# Allegro board MinnowMax_RevA1.brd (continued)
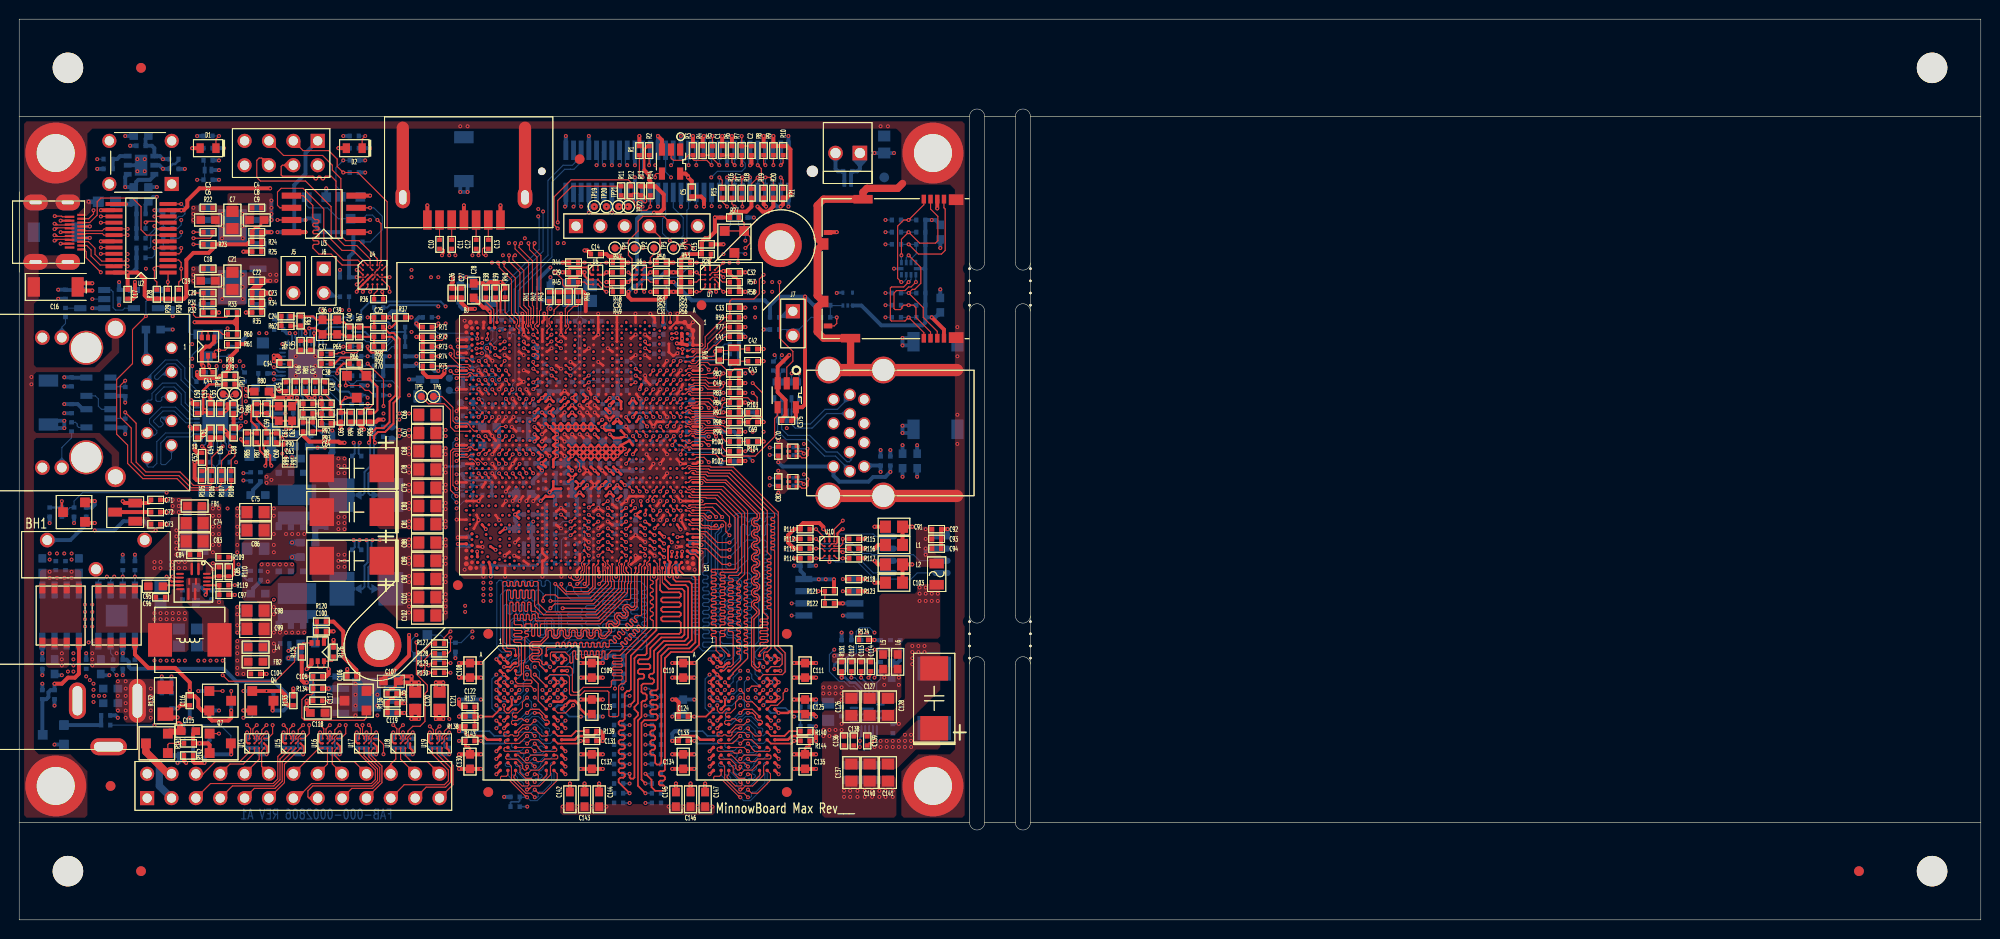
[diagram p0: board, top side]
## Routing (per net, layer and track width the routed paths; a pad name or vN(x,y) marks a point on that pad's centre or on a via; arc(x,y) is an arc through that point) (continued)
+VDIMM: length 173.8
  TOP w0.203: C139.2 88.61,18.41 88.9,18.41 v1(89.15,18.67) ; MEM1.H2 51.34,22.39 v1(51.34,23.19) ; MEM2.H2 73.56,22.39 v1(73.56,23.19) ; CPU1.F49 67.63,38.87 67.63,37.54 CPU1.F52
  TOP w0.254: v1(49.74,17.59) MEM1.N1 ; v1(69.1,38.43) CPU1.C51 ; MEM2.K2 72.77,19.99 v1(72.76,19.99) ; v1(67.22,39.97) 67.17,39.97 CPU1.H46 ; MEM2.G7 v1(77.57,23.19) ; MEM1.N9 v1(56.94,17.59) ; CPU1.BD49 v1(49.66,38.61) ; MEM2.D9 78.77,25.19 v1(79.17,24.79) MEM2.E9 ; MEM1.A1 v1(50.54,27.19) MEM1.B2 ; MEM2.N1 72.36,17.99 v1(71.96,17.59) ; CPU1.AV42 v1(51.69,42.29) CPU1.AV41 ; CPU1.F52 CPU1.F53 67.69,36.69 67.69,35.94 v1(67.79,35.84) ; CPU1.BJ48 v1(45.72,39.22) ; MEM1.K2 v1(50.54,19.99) ; 59.69,21.46 59.05,21.46 58.42,22.1 58.42,22.36 57.93,22.85 57.4,22.85 v1(56.94,22.39) MEM1.H9 ; MEM2.D2 v1(72.76,25.59) MEM2.C1 ; MEM2.B2 v1(72.76,27.19) MEM2.A1 ; MEM2.R1 71.97,15.99 v1(71.96,15.99) ; MEM1.G7 v1(55.34,23.19) ; CPU1.V38 61.57,44.6 v1(61.56,44.6) 61.54,44.6 CPU1.Y38 ; v1(79.17,17.59) 78.77,17.99 MEM2.N9 ; v1(71.12,39.12) 71.02,39.21 70.33,39.21 70.32,39.22 70.25,39.22 CPU1.A48 ; MEM2.C9 v1(79.34,25.99) ; v1(49.15,35.81) 49.15,36.69 CPU1.BD53 48.97,37.31 CPU1.BD52 ; CPU1.D44 v1(68.94,40.73) ; MEM1.F1 v1(49.74,23.99) ; MEM1.C9 v1(57.11,25.99) ; MEM1.E9 v1(56.94,24.79) 56.54,25.19 MEM1.D9 ; v1(54.36,43.69) 54.36,43.69 CPU1.AM38 54.97,44.14 55.6,44.14 CPU1.AK38 ; R144.1 82.39,18.16 82.26,18.03 82.04,18.03 81.92,17.91 C135.1 ; MEM1.A8 55.74,27.59 v1(56.14,27.19) ; C130.1 46.99,17.91 46.86,18.03 46.61,18.03 46.52,18.13 R143.1 ; MEM1.C1 v1(50.54,25.59) MEM1.D2 ; CPU1.BG51 v1(47.74,38.43) ; MEM1.K8 v1(56.14,19.99) ; MEM2.A8 78.36,27.19 v1(78.37,27.19) ; 81.92,21.46 81.66,21.72 80.26,21.72 80.14,21.59 v1(79.17,21.59) 78.77,21.99 MEM2.H9 ; v1(50.67,40.84) CPU1.BB46 ; v1(49.74,15.99) MEM1.R1 ; v1(48.64,40.77) CPU1.BF44 ; MEM2.R9 78.77,16.39 v1(79.17,15.99) ; MEM1.R9 v1(56.94,15.99) ; CPU1.M42 v1(64.25,42.27) CPU1.M41 ; MEM2.K8 v1(78.37,19.99) ; MEM2.F1 v1(71.96,23.99)
  TOP w0.406: v1(58.55,25.27) C109.1 v1(60.83,25.27) ; v1(48.13,25.27) C108.1 v1(45.85,25.27) ; R137.1 v1(45.85,21.21) ; v1(80.77,17.27) C135.1 v1(83.06,17.27) ; R124.2 v1(89.15,29.21) ; v1(60.83,17.27) C132.1 v1(58.55,17.27) ; v1(48.13,17.27) C130.1 v1(45.85,17.27) ; v1(80.77,25.27) C111.1 v1(83.06,25.27) ; 81.92,21.46 82.8,21.46 v1(83.06,21.21) ; v1(70.36,25.27) C110.1 v1(68.07,25.27) ; v1(68.07,17.27) C134.1 v1(70.36,17.27)
  INT8(V) w0.254: v1(89.15,18.67) 81.41,10.92 61.34,10.92 59.69,12.57 59.69,16.13 v1(58.55,17.27)
  BOTTOM w0.203: 78.36,21.59 v1(79.17,21.59) ; U37.5 88.99,18.83 v1(89.15,18.67) ; 56.14,22.39 v1(56.94,22.39)
  BOTTOM w0.254: MEM1.K2 v1(50.54,19.99) ; MEM3.B2 v1(78.37,27.19) MEM3.A1 ; MEM1.K8 v1(56.14,19.99) ; MEM2.K2 v1(72.76,19.99) ; C293.1 53.85,36.96 54.23,37.34 54.23,37.97 54.48,38.23 R283.1 ; MEM4.H9 v1(49.74,22.39) ; MEM1.C1 v1(50.54,25.59) 50.14,25.19 MEM4.D9 ; MEM4.D2 v1(55.34,24.79) ; MEM3.E9 72.36,24.39 v1(71.96,23.99) ; v1(61.56,44.6) 61.85,44.31 61.85,43.4 C272.2 ; v1(49.74,17.59) MEM1.N1 ; MEM3.A8 72.77,27.19 v1(72.76,27.19) ; MEM4.F1 v1(56.94,23.99) ; MEM3.D2 77.96,25.19 v1(77.57,24.79) ; MEM3.G7 v1(73.56,23.19) ; v1(71.96,22.39) MEM3.H9 ; MEM2.N9 78.77,17.99 v1(79.17,17.59) ; MEM2.N1 72.36,17.99 v1(71.96,17.59) ; MEM1.N9 v1(56.94,17.59) ; MEM4.A1 v1(56.14,27.19) MEM4.B2 ; MEM4.H2 56.14,22.39 ; MEM3.D9 72.37,25.19 v1(72.76,25.59) MEM2.C1 ; v1(79.17,15.99) 78.77,16.39 MEM2.R9 ; v1(49.74,15.99) MEM1.R1 ; MEM2.R1 71.97,15.99 v1(71.96,15.99) ; MEM1.C9 v1(57.11,25.99) ; MEM4.E9 v1(49.74,23.99) ; MEM2.C9 v1(79.34,25.99) ; v1(50.54,27.19) MEM4.A8 ; MEM2.K8 v1(78.37,19.99) ; MEM4.G7 v1(51.34,23.19) ; MEM3.H2 78.36,21.59 ; MEM3.F1 v1(79.17,23.99) ; MEM1.R9 v1(56.94,15.99)
  BOTTOM w0.381: C289.1 67.6,36.03 v1(67.79,35.84) ; C277.1 45.92,39.02 v1(45.72,39.22) ; C288.1 70.9,39.34 v1(71.12,39.12) ; C293.1 49.24,35.91 v1(49.15,35.81)
  BOTTOM w0.406: v1(80.77,17.27) C135.1 v1(83.06,17.27) ; v1(45.85,25.27) C108.1 v1(48.13,25.27) ; v1(68.07,21.21) 68.33,21.46 69.22,21.46 ; v1(50.67,40.84) 51.1,40.84 51.18,40.77 R275.1 51.82,41.53 51.69,41.66 v1(51.69,42.29) C276.2 ; v1(68.07,25.27) C110.1 v1(70.36,25.27) ; v1(60.83,25.27) C109.1 v1(58.55,25.27) ; v1(45.85,21.21) 46.1,21.46 46.99,21.46 ; v1(45.85,17.27) C130.1 v1(48.13,17.27) ; v1(83.06,25.27) C111.1 v1(80.77,25.27) ; v1(64.25,42.27) 64.26,42.26 C271.2 ; v1(58.55,17.27) C132.1 v1(60.83,17.27) ; v1(89.15,29.21) 89.19,29.18 C310.2 ; R310.1 v1(83.06,21.21) ; R294.2 v1(86.74,29.97) ; C267.1 53.6,44.45 v1(54.36,43.69) ; v1(68.07,17.27) C134.1 v1(70.36,17.27) ; R295.2 v1(45.47,27.3)
  vias: v1(35.05,24.64) v1(35.05,23.5) v1(35.05,22.35) v1(35.05,21.34) v1(37.34,23.5) v1(37.34,22.35) v1(37.34,21.34) v1(48.39,35.18) v1(48.39,34.54) v1(48.39,33.91) v1(48.39,33.27) v1(49.15,35.18) v1(49.15,34.54) v1(49.15,33.91) v1(49.15,33.27) v1(89.15,18.03) v1(89.79,18.67) v1(89.79,18.03) v1(90.42,18.67) v1(90.42,18.03) v1(91.06,18.67) v1(91.06,18.03) v1(91.69,18.67) v1(91.69,18.03) v1(92.33,19.3) v1(92.33,18.67) v1(92.33,18.03) v1(92.96,19.3) v1(92.96,18.67) v1(92.96,18.03)
+VDIMM_VTT: length 2.1
  BOTTOM w0.203: 88.07,17.72 88.07,18.92 88.19,19.04 U37.7
  vias: v1(56.64,11.81) v1(58.17,11.81) v1(59.69,11.81) v1(61.21,11.81) v1(67.69,11.81) v1(69.22,11.81) v1(70.74,11.81) v1(72.26,11.81)
+VGFX: length 43.5
  TOP w0.254: v1(59.99,51.43) CPU1.AC22 v1(59.2,51.43) ; v1(59.99,51.43) CPU1.AA24 ; v1(59.99,51.43) CPU1.AC24 v1(59.2,51.43) ; v1(59.2,51.43) CPU1.AD22 v1(58.42,51.43) ; v1(59.2,51.43) CPU1.AD24 v1(58.42,51.43) ; v1(56.85,51.43) CPU1.AG22 v1(57.64,51.43) ; v1(56.85,51.43) CPU1.AJ24 v1(56.07,51.43) ; v1(56.85,51.43) CPU1.AJ22 v1(56.07,51.43) ; v1(56.85,51.43) CPU1.AG24 v1(57.64,51.43) ; CPU1.AK24 v1(56.07,51.43) ; CPU1.AK24 v1(56.07,50.67) CPU1.AK25 v1(56.07,49.91) CPU1.AK27 v1(56.07,49.15) CPU1.AK29 v1(56.07,48.39) CPU1.AK30 CPU1.AK32 ; CPU1.AK24 v1(55.28,51.43) CPU1.AM22 ; v1(56.07,51.43) CPU1.AK22 ; v1(58.42,51.43) CPU1.AF22 v1(57.64,51.43) ; v1(58.42,51.43) CPU1.AF24 v1(57.64,51.43)
  TOP w0.406: R37.2 v1(40.89,62.86)
  INT8(V) w0.406: v1(40.64,50.48) 40.96,50.48 41.91,51.44 41.91,62.46 41.5,62.86 v1(40.89,62.86)
  BOTTOM w0.406: v1(56.07,48.39) v1(56.07,49.15) v1(56.07,49.91) v1(56.07,50.67) v1(56.07,51.43) ; v1(57.64,51.43) v1(56.85,51.43) v1(56.07,51.43) ; v1(57.64,51.43) 57.75,51.54 C219.1 ; v1(57.64,51.43) v1(58.42,51.43) v1(59.2,51.43) v1(59.99,51.43) 59.78,51.63 C218.1 ; 55.72,51.43 C221.1 ; 55.72,51.43 v1(56.07,51.43) ; 55.72,51.43 v1(55.28,51.43)
  vias: v1(40.64,49.21) v1(40.64,48.58) v1(40.64,47.31) v1(40.64,46.67) v1(40.64,45.4) v1(40.64,44.77) v1(40.64,43.5) v1(40.64,42.86) v1(40.64,41.59) v1(40.64,40.96)
/SD3_PWREN: length 3.3
  TOP w0.114: CPU1.BD22 v1(49.31,52.46)
  BOTTOM w0.114: v1(49.31,52.46) 48.69,53.09 48.13,53.09 TP11.1
ACTIVE-LED: length 33
  TOP w0.114: v1(11.05,52.96) 12.19,51.82 12.19,47.75 13.21,46.74 16.76,46.74 18.16,45.34 19.94,45.34 20.07,45.47 R106.2
  INT3(V) w0.102: v1(7.62,64.77) 9.14,64.77 11.56,62.36 11.56,53.47 v1(11.05,52.96)
  BOTTOM w0.114: U26.2 v1(7.62,64.77) ; v1(11.05,52.96) C231.2 11.02,52.32 U30.2
ALERT_L: length 2.7
  BOTTOM w0.114: U27.4 33.47,58.38 33.48,58.38 33.7,58.38 34.29,57.78 R227.2
AUGND2: length 25.9
  GND2 w0.508: 85.95,50.17 USB1.7 ; USB1.7 87.21,50.17 ; USB1.7 85.95,51.43 ; USB1.7 87.21,51.43 ; USB1.13 85.51,53.67 ; USB1.13 84.25,54.93 ; USB1.13 84.25,53.67 ; USB1.13 85.51,54.93 ; 87.45,53.67 USB1.4 ; USB1.4 88.71,53.67 ; USB1.4 88.71,54.93
  GND6 w0.508: 85.95,51.43 USB1.7 ; USB1.7 85.95,50.17 ; USB1.7 87.21,51.43 ; USB1.7 87.21,50.17 ; 84.25,53.67 USB1.13 ; USB1.13 85.51,54.93 ; USB1.13 84.25,54.93 ; USB1.13 85.51,53.67 ; USB1.4 88.71,53.67 ; USB1.4 87.45,53.67 ; USB1.4 88.71,54.93
  BOTTOM w0.406: FB10.1 v1(92.08,49.53) ; FB9.1 v1(93.6,49.53) ; C235.1 v1(89.79,49.02) ; C234.1 v1(90.81,49.02) ; v1(92.08,50.8) 92.84,50.8 C211.1 92.84,51.56 v1(92.08,51.56) v1(92.08,50.8)
BOM_OP1: length 6.1
  TOP w0.102: CPU1.C16 69.44,54.87 69.73,55.16 69.97,55.16 70.14,54.99 71.75,54.99
  TOP w0.114: 71.75,54.99 v1(73.41,54.99)
  BOTTOM w0.114: R233.1 R211.2 v1(73.41,54.99)
BOM_OP2: length 6.6
  TOP w0.102: 71.75,55.75 71.5,56.01 70.36,56.01 70.2,55.85 CPU1.B14
  TOP w0.114: 71.75,55.75 71.88,55.63 72.9,55.63 73.02,55.75 73.02,56.64 v1(73.41,57.02)
  BOTTOM w0.114: R208.1 R209.2 v1(73.41,57.02)
BOM_OP3: length 9.4
  TOP w0.102: 71.75,55.37 71.37,55.75 70.39,55.75 70.28,55.64 70.12,55.64 70.07,55.64 69.8,55.37 69.5,55.37 CPU1.C15
  TOP w0.114: v1(73.41,56.01) 73.41,55.63 73.15,55.37 71.75,55.37
  BOTTOM w0.114: R234.1 74.07,53.31 73.91,53.47 73.28,53.47 73.03,53.72 73.03,55.63 v1(73.41,56.01) R210.2
BOOT1: length 1.5
  BOTTOM w0.203: U27.21 26.65,55.98 R230.1
BOOT_R: length 1.6
  BOTTOM w0.203: R230.2 24.93,55.79 C204.1
BOOTG: length 3.1
  BOTTOM w0.114: U27.34 29.25,60.68 29.15,60.78 29.15,62.04 R204.1
BOOTG_R: length 1.4
  BOTTOM w0.114: R204.2 26.8,62.36 26.58,62.14 C190.1
BRTCX1: length 7
  TOP w0.102: CPU1.C9 69.91,58.23 70.1,58.04 70.48,58.04 70.9,58.45 R76.2 74.26,58.45 Y1.2 74.68,58.29 C43.2
BRTCX2: length 6.9
  TOP w0.102: CPU1.A9 70.23,58.45 70.59,58.8 72.42,58.8 72.52,58.9 72.52,59.08 72.38,59.22 72.38,59.36 72.51,59.49 72.94,59.49 R76.1 74.26,59.4 Y1.1 74.68,59.56 C42.2
BUF2_PWR: length 1.7
  TOP w0.203: v1(61.21,67.56) 60.96,67.31 U5.B2
  TOP w0.406: R48.1 v1(61.21,67.56)
BUF3_PWR: length 1.7
  TOP w0.203: U6.B2 65.53,67.31 v1(65.79,67.56)
  TOP w0.406: R51.1 v1(65.79,67.56)
BVCCRTC_EXTPAD: length 5.3
  TOP w0.102: CPU1.B8 70.22,58.79 70.59,59.16 71.6,59.16 71.75,59.31
  TOP w0.114: C41.1 73.53,60.83 72.64,59.94 72.39,59.94 71.75,59.31
C_HDMI_CEC: length 13.9
  TOP w0.114: P1.15 7.35,72.76 8.13,73.53 8.13,74.93 8.51,75.31 11.81,75.31 12.7,74.42 12.7,72.01 13.26,71.45 U2.7
C_HDMI_HPD: length 16.1
  TOP w0.114: U2.10 v1(14.1,73.4) ; P1.1 6.75,69.96 6.99,69.72 6.99,69.09 v1(8.51,67.56)
  INT7(H) w0.102: v1(14.1,73.4) 11.93,73.4 10.41,71.88 8.64,71.88 7.49,70.74 7.49,68.58 v1(8.51,67.56)
C_HDMI_SCL: length 12.4
  TOP w0.114: v1(7.75,74.04) 7.75,73.66 7.24,73.16 P1.17 ; v1(14.1,72.39) 14.39,72.1 U2.8
  INT4(H) w0.102: v1(7.75,74.04) 8.13,74.42 9.78,74.42 11.81,72.39 v1(14.1,72.39)
  BOTTOM w0.114: R170.1 14.1,72.04 v1(14.1,72.39)
C_HDMI_SDA: length 15.6
  TOP w0.114: P1.18 4.5,73.35 4.42,73.43 v1(3.7,73.43) ; U2.9 14.5,72.75 14.35,72.9 13.3,72.9 v1(13.17,72.77)
  INT4(H) w0.102: v1(3.7,73.43) 6.5,73.43 7.87,74.8 9.91,74.8 11.94,72.77 v1(13.17,72.77)
  BOTTOM w0.114: v1(13.17,72.77) R169.1
CLKREQ0_B: length 5.8
  TOP w0.114: CPU1.BG3 v1(47.75,60.63)
  BOTTOM w0.114: R191.1 43.65,61.21 47.17,61.21 v1(47.75,60.63)
CLKREQ1_B: length 8.9
  TOP w0.102: CPU1.BD7 v1(48.77,59.69)
  INT4(H) w0.102: v1(43.69,62.86) 43.18,62.36 43.18,61.98 43.81,61.34 46.48,61.34 48.13,59.69 v1(48.77,59.69)
  BOTTOM w0.114: R190.1 v1(43.69,62.86)
COMP_RC: length 1
  BOTTOM w0.114: R247.2 C227.1
COMP_RC1: length 1.6
  TOP w0.114: R92.1 32.48,54.2 31.88,54.8 C48.2
COMP_RC2: length 1
  TOP w0.114: C63.1 R90.2
COMP_VW: length 3.8
  BOTTOM w0.114: U27.10 32.25,55.22 C226.2 R245.2
COMPG: length 10.2
  BOTTOM w0.114: R195.2 C185.2 38.86,59.82 38.35,59.31 37.08,59.31 36.99,59.4 C188.2 36.48,60.33 36.16,60.33 36.05,60.44 36.05,60.45 35.7,60.8 R198.1 C189.1 31.84,60.8 31.65,60.6 U27.40
COMPG_RC: length 1.8
  BOTTOM w0.114: C188.1 38.26,59.82 R194.2
COMPG_RC1: length 1
  BOTTOM w0.114: R193.1 C184.2
COMPG_RC2: length 1
  BOTTOM w0.114: R196.2 C187.1
CORE_SDA: length 2.5
  BOTTOM w0.114: U27.3 32.25,58.79 34.7,58.79 R201.2
CRT_CLK: length 2.6
  TOP w0.114: R39.1 49.66,64.52 49.8,64.37 CPU1.BC1
CRT_DAT: length 3.5
  TOP w0.114: R38.1 48.64,64.52 49.46,63.7 49.46,61.88 CPU1.BC2
D5_0V_HDMI: length 1
  BOTTOM w0.508: v1(7.24,74.93) L7.2
DBG_UART3_RXD: length 6.3
  TOP w0.114: J4.4 66.8,71.25 66.8,69.47 66.45,69.12 R50.2 65.95,68.07 65.16,68.07 U6.A2
DBG_UART3_TXD: length 10.2
  TOP w0.114: J4.5 67.18,73.41 65.02,73.41 64.52,72.9 64.52,71.88 63.5,70.87 63.5,69.34 63.88,68.96 63.88,68.32 64.39,67.81
DC_GATE_ENB: length 7.7
  INT7(H) w0.406: v1(6.99,27.81) 6.35,28.45 3.05,28.45 v1(2.41,27.81)
  BOTTOM w0.406: U36.4 v1(2.41,27.81) R309.1 ; v1(6.99,27.81) C325.1
DC_IN_1:
  vias: v1(10.29,24.89) v1(10.29,23.37) v1(10.29,21.84) v1(11.1,24.89) v1(11.1,24.13) v1(11.1,23.37) v1(11.1,22.61) v1(11.1,21.84) v1(11.1,21.08) v1(13.72,24.13) v1(13.72,23.37) v1(13.72,22.61) v1(13.72,21.84) v1(13.72,21.08)
DDI1_DDCDAT: length 1.4
  TOP w0.114: CPU1.P30 v1(63.26,47.59)
  BOTTOM w0.114: R257.1 63.55,47.88 v1(63.26,47.59)
DDI_RCOMP_N: length 1.6
  TOP w0.102: v1(55.49,57.5) 55.98,57.15 CPU1.AK12
  BOTTOM w0.102: v1(55.49,57.5) 55.08,57.91 54.83,57.91 R217.1
DDI_RCOMP_P: length 1.5
  TOP w0.102: CPU1.AK13 55.98,56.44 v1(55.49,56.79)
  BOTTOM w0.102: v1(55.49,56.79) 55.13,57.15 54.83,57.15 R217.2
DDP_1V8: length 34.9
  TOP w0.089: 36.08,67.06 35.56,67.06
  TOP w0.114: U4.C2 36.08,67.06
  TOP w0.203: v1(35.18,67.06) 35.18,67.06 35.56,67.06
  TOP w0.406: U3.8 v1(29.84,71.75)
  INT3(V) w0.406: v1(36.07,77.98) 35.05,78.99 35.05,79.76 33.53,81.28 J1.1
  BOTTOM w0.406: J1.1 29.84,80.01 29.84,77.85 28.67,76.67 R165.1 ; R165.1 C160.2 v1(29.84,71.75) ; R165.1 v1(29.84,73.03) 30.01,73.19 Q8.D 30.99,72.26 31.5,71.75 R163.1 R164.1 34.83,69.63 34.38,69.18 C165.2 v1(35.18,67.06) ; R152.1 v1(36.07,77.98)
DDP_IO3L: length 15.8
  INT3(V) w0.102: v1(33.78,79.25) 33.4,79.63 24.38,79.63 23.5,78.74
  BOTTOM w0.114: D8.1 33.53,76.07 33.02,76.58 33.02,78.49 v1(33.78,79.25) R147.2
DDP_SPI_CLK: length 20.8
  TOP w0.089: 36.58,68.57 36.58,68.06
  TOP w0.114: J1.4 27.43,78.74 27.31,78.62 27.31,77.72 27.43,77.6 30.62,77.6 30.73,77.49 30.73,77.32 30.84,77.22 30.99,77.22 31.1,77.32 31.1,77.49 31.21,77.6 31.36,77.6 31.47,77.49 31.47,77.32 31.58,77.22 31.73,77.22 31.84,77.32 31.84,77.49 31.95,77.6 32.51,77.6 33.02,77.09 33.02,71.25 33.91,70.36 35.18,70.36 36.58,68.96 36.58,68.57 ; 36.58,68.06 U4.B3
DDP_SPI_CS: length 20.9
  TOP w0.114: J1.3 29.59,80.26 32.26,80.26 33.15,79.38 33.15,78.61 v1(33.78,77.98) 35.31,77.98 38.35,74.93 38.35,68.33 U4.B5
  BOTTOM w0.114: R152.2 v1(33.78,77.98)
DDP_SPI_MISO: length 20.8
  TOP w0.114: 26.04,81.28 27.56,79.76 31.62,79.76 32.64,78.74 32.64,78.23 33.53,77.34 33.53,71.37 34.04,70.87 35.43,70.87 37.33,68.97 U4.A4
DDP_SPI_MOSI: length 20.8
  TOP w0.114: U4.A2 34.79,69.85 33.66,69.85 32.51,70.99 32.51,74.42 29.84,77.09 25.15,77.09 24.77,77.47 24.77,79.25 25.01,79.49 25.28,79.49 26.04,78.74
DDR3L_VIN:
  vias: v1(83.82,24.26) v1(83.82,23.62) v1(84.45,24.26) v1(84.45,23.62) v1(85.09,24.26) v1(85.09,23.62) v1(85.72,24.26) v1(85.72,23.62) v1(85.72,22.99) v1(90.17,25.27) v1(90.17,24.51) v1(91.69,25.27) v1(91.69,24.51)
DDR_BST: length 2.2
  BOTTOM w0.406: C309.2 91.82,27.08 91.53,26.8 R298.2
DDR_E0: length 1.9
  TOP w0.114: R118.2 v1(85.85,35.56)
  BOTTOM w0.114: v1(85.85,35.56) U33.1
DDR_E1: length 1.9
  TOP w0.114: v1(85.85,34.29) R123.2
  BOTTOM w0.114: U33.2 v1(85.85,34.29)
DDR_RCMP: length 8.3
  INT8(V) w0.254: v1(89.15,28.19) 89.15,27.69 87.63,26.16 v1(84.96,26.16)
  BOTTOM w0.254: v1(89.15,28.19) 89.19,28.23 C310.1 R292.2 ; v1(84.96,26.16) 84.96,26.64 85.22,26.89 R303.1
DDR_SMB_CLK: length 133.9
  TOP w0.114: 59.82,67.81 59.82,68.19 59.44,68.58 v1(58.93,68.58) R44.1
  INT4(H) w0.102: v1(58.93,68.58) 60.45,67.06 61.72,67.06 62.74,66.04 77.09,66.04 v1(77.6,66.55)
  INT7(H) w0.102: v1(9.91,35.81) 10.67,35.05 15.49,35.05 16.26,34.29 36.7,34.29 40.13,30.86 78.36,30.86 v1(80.52,33.02)
  INT8(V) w0.102: v1(77.6,66.55) 77.98,66.17 77.98,50.67 77.72,50.42 77.47,50.42 77.22,50.17 77.22,43.69 79.63,41.27 79.63,33.91 v1(80.52,33.02)
  BOTTOM w0.114: v1(9.91,35.81) 9.53,35.43 U35.6 ; U33.6 v1(80.52,33.02)
DDR_SMB_DATA: length 133
  TOP w0.114: U5.A2 60.32,68.19 60.71,68.58 v1(61.21,68.58) R47.1
  INT4(H) w0.102: v1(76.71,66.55) 75.95,66.55 75.82,66.42 70.1,66.42 69.47,67.06 62.74,67.06 v1(61.21,68.58)
  INT7(H) w0.102: v1(80.52,31.75) 79.25,30.48 39.88,30.48 36.45,33.91 23.75,33.91 23.37,33.53 16,33.53 15.24,34.29 10.67,34.29 v1(9.14,35.81)
  INT8(V) w0.102: v1(76.71,66.55) 76.33,66.17 76.33,62.23 76.83,61.72 76.83,43.43 79.25,41.02 79.25,33.02 v1(80.52,31.75)
  BOTTOM w0.114: v1(9.14,35.81) 8.89,35.56 8.38,35.56 8.26,35.43 U35.5 ; U33.5 v1(80.52,31.75)
DDR_WP_A: length 3.5
  TOP w0.114: v1(83.31,34.29) R121.1 R122.1
  BOTTOM w0.114: U33.7 v1(83.31,34.29)
DDRAGND_SIGNAL: length 14.3
  INT3(V) w0.406: v1(87.63,18.03) v1(87.63,18.67) 87.63,24 87.25,24.38 87.25,26.04 v1(85.72,27.56) v1(84.96,27.56)
  BOTTOM w0.203: U37.8 87.79,19.15 87.63,18.99 v1(87.63,18.67)
  BOTTOM w0.254: v1(87.63,18.03) v1(87.63,18.67)
  BOTTOM w0.406: FB12.2 v1(85.72,27.56) v1(84.96,27.56)
DIMM_FB: length 7.5
  TOP w0.406: R131.2 v1(85.72,25.27)
  BOTTOM w0.203: U37.14 87.79,24.09
  BOTTOM w0.254: R294.1 86.74,27.81 86.23,27.3 86.23,26.04 86.14,25.94 R131.2 v1(85.72,25.27) 86.11,25.27 86.61,24.77 87.12,24.77 87.79,24.09
DRAM_CORE_PWROK: length 24.7
  TOP w0.114: CPU1.AB42 v1(59.37,42.27)
  INT3(V) w0.102: v1(59.37,42.27) 58.29,41.19 58.29,38.86 49.53,30.1 v1(47.24,30.1)
  BOTTOM w0.114: v1(47.24,30.1) 46.07,28.92 R295.1 44.74,28.92 43.94,29.72 D12.3
DRAM_PWROK: length 12.2
  INT8(V) w0.102: v1(84.96,28.19) v1(88.39,28.19)
  BOTTOM w0.114: U37.13 87.39,23.99 87,24.38 86.49,24.38 85.98,24.89 85.47,24.89 84.45,25.91 84.45,27.69 v1(84.96,28.19) ; v1(88.39,28.19) 87.79,28.19 R293.2 R301.2
DRAM_RCOMP0: length 4
  TOP w0.114: CPU1.AD44 v1(59.37,40.84)
  BOTTOM w0.102: v1(59.37,40.84) 58.93,40.4 58.93,38.61 58.55,38.23 R280.2
DRAM_RCOMP1: length 4.7
  TOP w0.114: v1(57.47,40.13) 57.94,40.49 CPU1.AF45
  BOTTOM w0.102: v1(57.47,40.13) 57.21,39.88 56.77,39.88 56.52,39.62 56.52,37.47 56.26,37.21 R284.2
DRAM_RCOMP2: length 5.1
  TOP w0.114: CPU1.AD45 58.9,40.49 CPU1.AD45 ; CPU1.AD45 v1(59.37,40.13)
  BOTTOM w0.102: v1(59.37,40.13) 59.82,39.69 59.82,37.72 59.31,37.21 R281.2
DRAM_S4_PWROK: length 64.4
  TOP w0.114: CPU1.AD42 v1(59.37,41.56) ; R124.1 87.54,29.75 v1(87.76,29.97)
  INT3(V) w0.102: v1(47.24,29.46) 49.4,29.46 58.67,38.73 58.67,40.86 v1(59.37,41.56)
  INT7(H) w0.102: v1(87.76,29.97) 87.25,29.46 v1(47.24,29.46)
  BOTTOM w0.102: C290.2 58.55,39.24 58.67,39.37 58.67,40.86 v1(59.37,41.56)
  BOTTOM w0.114: R293.1 v1(87.76,29.97)
DRAM_VCC: length 7.4
  TOP w0.203: v1(87.76,25.27) C113.2
  INT7(H) w0.203: v1(89.15,25.27) 88.76,25.67 88.15,25.67 v1(87.76,25.27)
  BOTTOM w0.203: C113.2 v1(87.76,25.27) 88.59,24.44 U37.16 ; R299.1 89.41,26.89 89.28,26.76 89.28,25.4 v1(89.15,25.27)
DRAM_VDD_CLK: length 10.7
  TOP w0.254: CPU1.AD38 58.43,44.6 v1(58.42,44.6) 58.41,44.6 CPU1.AF38
  INT4(H) w0.406: v1(53.58,41.56) 53.62,41.56 56.13,44.07 57.89,44.07 v1(58.42,44.6)
  BOTTOM w0.406: C292.2 C291.2 53.56,39.78 53.34,40 R275.2 53.34,41.32 v1(53.58,41.56)
DRAM_VREF: length 4.5
  TOP w0.114: v1(57.47,40.84) 57.92,41.18 CPU1.AF44
  BOTTOM w0.102: v1(57.47,40.84) 56.88,40.26 C275.1 R282.1 R283.2
ELL: length 1.6
  BOTTOM w0.114: U26.4 4.85,63.82 R207.1
ELR: length 1.9
  BOTTOM w0.114: R252.1 5.88,51.91 6.05,51.74 6.05,51.54 6.21,51.37 U30.4
EN_VDDQ: length 3.6
  TOP w0.114: C114.2 88.77,25.54 88.7,25.46 88.7,25.45 v1(88.52,25.27)
  BOTTOM w0.114: C114.2 88.77,25.54 88.7,25.46 88.7,25.45 v1(88.52,25.27) 88.99,24.8 U37.17
EN_VTT: length 4
  TOP w0.114: v1(86.74,25.27) C112.2
  BOTTOM w0.114: U37.15 88.19,24.2 87.12,25.27 v1(86.74,25.27) C112.2
ETH_CP: length 3.2
  BOTTOM w0.406: J8.2 13.21,58.55 FB6.2
EXP_GPIO1: length 23.3
  TOP w0.114: CPU1.K18 v1(66.11,54.37)
  INT8(V) w0.102: v1(66.11,54.37) 66.45,54.71 66.45,60.73 67.45,61.73 67.45,63.51 67.82,63.88 v1(67.82,70.87)
  BOTTOM w0.114: v1(67.82,70.87) 67.06,71.63 67.06,73.15 67.38,73.48 J10.27
EXP_GPIO2: length 26.8
  TOP w0.114: CPU1.K20 v1(66.11,52.46)
  INT8(V) w0.102: v1(66.11,52.46) 66.11,52.9 66.67,53.47 67.94,53.47 68.58,54.1 68.58,58.46 69.49,59.37 v1(69.49,70.1)
  BOTTOM w0.114: J10.29 68.18,74.31 69.22,73.28 69.22,71.37 69.09,71.25 69.09,70.5 v1(69.49,70.1)
EXP_GPIO3: length 33
  TOP w0.114: CPU1.M22 v1(65.46,51.47)
  INT8(V) w0.102: v1(65.46,51.47) 65.03,51.91 65.03,55.75 64.9,55.88 64.9,57.28 65.91,58.29 65.91,61.21 66.17,61.47 66.17,63.37 67.18,64.39 67.18,71.25 67.44,71.5 68.58,71.5 69.34,72.26 69.34,76.07 v1(67.94,77.47)
  BOTTOM w0.114: v1(67.94,77.47) 67.38,78.03 J10.28
EXP_GPIO4: length 33
  TOP w0.114: CPU1.M24 v1(65.39,50.48)
  INT8(V) w0.102: v1(67.94,78.74) 67.44,78.23 67.44,76.96 67.82,76.58 67.82,73.41 67.31,72.9 67.31,71.75 66.93,71.37 66.93,64.64 66.1,63.82 65.72,63.82 64.9,62.99 64.9,58.17 64.64,57.91 64.64,55.88 64.34,55.58 64.34,51.54 v1(65.39,50.48)
  BOTTOM w0.114: v1(67.94,78.74) 68.18,78.98 J10.30
FB_V1P0S: length 5
  TOP w0.254: R135.2 39.34,23.46 38.99,23.11 38.73,23.11 38.39,22.77 R136.1
  TOP w0.406: R136.1 C119.1 ; R135.2 v1(40.13,23.62)
  BOTTOM w0.406: U38.2 39.88,24.13 40.13,23.88 v1(40.13,23.62)
FBG: length 13.9
  BOTTOM w0.203: U27.39 31.25,60.84 32.26,61.85 R200.1 34.7,61.43 34.8,61.34 36.07,61.34 36.58,60.83 R196.1 36.99,60.43 37.09,60.33 38.35,60.33 38.61,60.58 38.61,61.09 38.86,61.34 40.23,61.34
  BOTTOM w0.254: C185.1 R194.1 R193.2
FP_PWRBTN: length 135
  TOP w0.114: R5.2 v1(72.26,81.79)
  INT3(V) w0.102: v1(10.16,25.53) 9.78,25.91 9.78,31.37 10.29,31.88 10.29,42.42 12.19,44.32 12.19,65.41 13.21,66.42 v1(13.21,67.94) 15.9,70.64 SW1.1
  INT4(H) w0.102: v1(72.26,81.79) 70.36,79.88 22.48,79.88 21.34,78.74 20.07,78.74 v1(18.54,77.22) 18.11,76.78 SW1.1
  INT7(H) w0.102: v1(13.21,67.94) 15.11,66.04 18.54,66.04 19.05,65.53 24.89,65.53 25.4,66.04 27.58,66.04 28.57,67.03 J5.1
  BOTTOM w0.114: v1(18.54,77.22) C154.2 19.34,77.34 D9.P 19.34,79.12 R149.1 ; v1(10.16,25.53) 9.78,25.91 R308.2
GFX_PG: length 14
  TOP w0.114: D4.2 34.04,56.64 v1(34.04,55.75) 35.56,55.75 36.07,55.25 36.45,55.25 36.83,54.86 36.83,53.72 36.51,53.4 36.04,53.4 R95.1 ; R65.1 35.4,59.4 35.18,59.18 v1(33.78,59.18) 33.27,59.18 33.15,59.06 C37.2
  INT3(V) w0.102: v1(34.04,55.75) 34.04,58.93 v1(33.78,59.18)
GFX_PG_R: length 2.5
  TOP w0.114: R65.2 v1(33.78,59.82)
  BOTTOM w0.114: v1(33.78,59.82) 33.4,59.82 32.77,59.19 U27.2
GPIO_I2C_SCL: length 13.3
  TOP w0.114: U17.A1 35.44,17.32 37.12,15.64 37.12,14.64 36.7,14.22 30.48,14.22 28.96,12.7 JP1.13
GPIO_I2C_SDA: length 13.4
  TOP w0.114: JP1.15 30.23,12.7 30.1,12.83 30.1,13.46 30.61,13.97 36.77,13.97 37.35,14.55 37.35,15.74 35.95,17.14 35.95,17.92
GPIO_NC13: length 4.1
  TOP w0.114: CPU1.A29 72.6,48.56 73.28,47.88 R102.2
GPIO_RCOMP: length 6.4
  TOP w0.114: CPU1.N26 v1(63.97,50.48)
  BOTTOM w0.102: v1(63.97,50.48) 64.42,50.93 R238.1
GPIO_S0_SC_55: length 4.8
  TOP w0.114: CPU1.BD12 v1(48.6,57.34)
  BOTTOM w0.102: 45.09,56.77 45.21,56.9 45.85,56.9 45.97,57.02 47.62,57.02 47.66,56.99 48.25,56.99 v1(48.6,57.34)
  BOTTOM w0.114: 45.09,56.77 TP8.1
GPIO_S0_SC_56: length 4
  TOP w0.114: CPU1.BC12 v1(49.31,57.34)
  BOTTOM w0.102: R189.2 R219.2 47.34,57.66 47.62,57.66 47.75,57.78 48.87,57.78 v1(49.31,57.34)
GPIO_S0_SC_58: length 6.2
  TOP w0.114: CPU1.BC14 v1(49.31,56.35)
  BOTTOM w0.102: v1(49.31,56.35) 49.31,55.92 48.96,55.56 48.96,55.18 48.77,54.99 45.09,54.99
  BOTTOM w0.114: 45.09,54.99 TP9.1
GPIO_S5_0: length 10.8
  TOP w0.114: U19.A1 43.06,17.29 44.74,15.62 44.74,14.51 44.32,14.1 40.13,14.1 JP1.21
GPIO_S5_1: length 8.5
  TOP w0.114: JP1.23 42.42,13.84 44.45,13.84 44.96,14.36 44.96,15.87 43.57,17.27 43.57,17.92
GPIO_S5_2: length 6.3
  TOP w0.114: U19.C1 44.06,17.28 45.21,16.13 45.21,14.1 JP1.25
GPIO_S5_10_UNLOCK: length 34.1
  TOP w0.114: v1(71.88,53.42) 71.46,53.84 70.85,53.84 70.72,53.7 70.07,53.7 69.97,53.61 69.97,53.61 69.95,53.59 69.67,53.59 CPU1.C19
  INT4(H) w0.102: v1(71.88,53.42) 71.54,53.76 63.79,53.76 62.63,52.6 60.7,52.6 60.3,52.2 54.48,52.2 54.1,51.82 53.34,51.82 52.58,51.05 52.58,50.29 51.94,49.66 48.01,49.66 47.5,50.17 v1(45.59,50.17)
  BOTTOM w0.102: R259.1 46.26,48.86 46.1,49.02 45.47,49.02 45.21,49.28 45.21,49.78 v1(45.59,50.17)
GPIO_S514_J20: length 3.6
  TOP w0.114: CPU1.J20 v1(66.82,52.46)
  BOTTOM w0.114: v1(66.82,52.46) 67.34,51.94 R237.1
HDA_RCOMP: length 1.3
  TOP w0.114: CPU1.BF20 v1(47.89,52.46)
  BOTTOM w0.114: R242.1 47.78,52.58 v1(47.89,52.46)
HDMI_CEC: length 1.8
  TOP w0.114: U2.1 15.52,66.57 v1(15.49,66.55) R29.1
HDMI_CLK_DN: length 66.3
  TOP w0.102: v1(3.68,72.64) 3.82,72.5 5.2,72.5 P1.14 ; v1(53.72,70.61) 53.59,70.48 53.59,70.1 54.38,69.32 54.38,63.65 54.23,63.5 54.23,62.98 54.23,62.63 54.23,62.14 CPU1.AP2 ; U2.15 v1(8.51,73.4)
  INT3(V) w0.099: v1(8.51,73.4) 8.33,73.22 6.13,73.22 5.43,72.52 3.8,72.52 v1(3.68,72.64)
  INT7(H) w0.099: v1(53.72,70.61) 53.49,70.84 53.49,71.48 51.18,73.79 50.41,73.79 31.43,73.79 29.4,75.82 15.49,75.82 14.63,74.95 12.09,74.95 10.41,73.27 8.63,73.27 v1(8.51,73.4)
HDMI_CLK_DP: length 66.3
  TOP w0.102: CPU1.AP3 54.05,61.52 53.72,61.85 53.72,62.07 53.98,62.32 53.98,62.45 53.97,62.98 53.97,63.82 53.97,69.15 53.19,69.94 53.19,70.51 v1(53.09,70.61) ; v1(3.68,72.07) 3.82,72.21 5.2,72.21 P1.12 ; U2.16 v1(8.51,72.75)
  INT3(V) w0.099: v1(3.68,72.07) 3.84,72.23 5.55,72.23 6.25,72.92 8.33,72.92 v1(8.51,72.75)
  INT7(H) w0.099: v1(53.09,70.61) 53.09,71.31 51.01,73.38 50.58,73.38 31.26,73.38 31.03,73.62 29.23,75.42 15.66,75.42 14.8,74.55 12.26,74.55 10.57,72.87 8.63,72.87 v1(8.51,72.75)